# Altium PCB X3.PcbDoc (part 1 of 2) (continued)
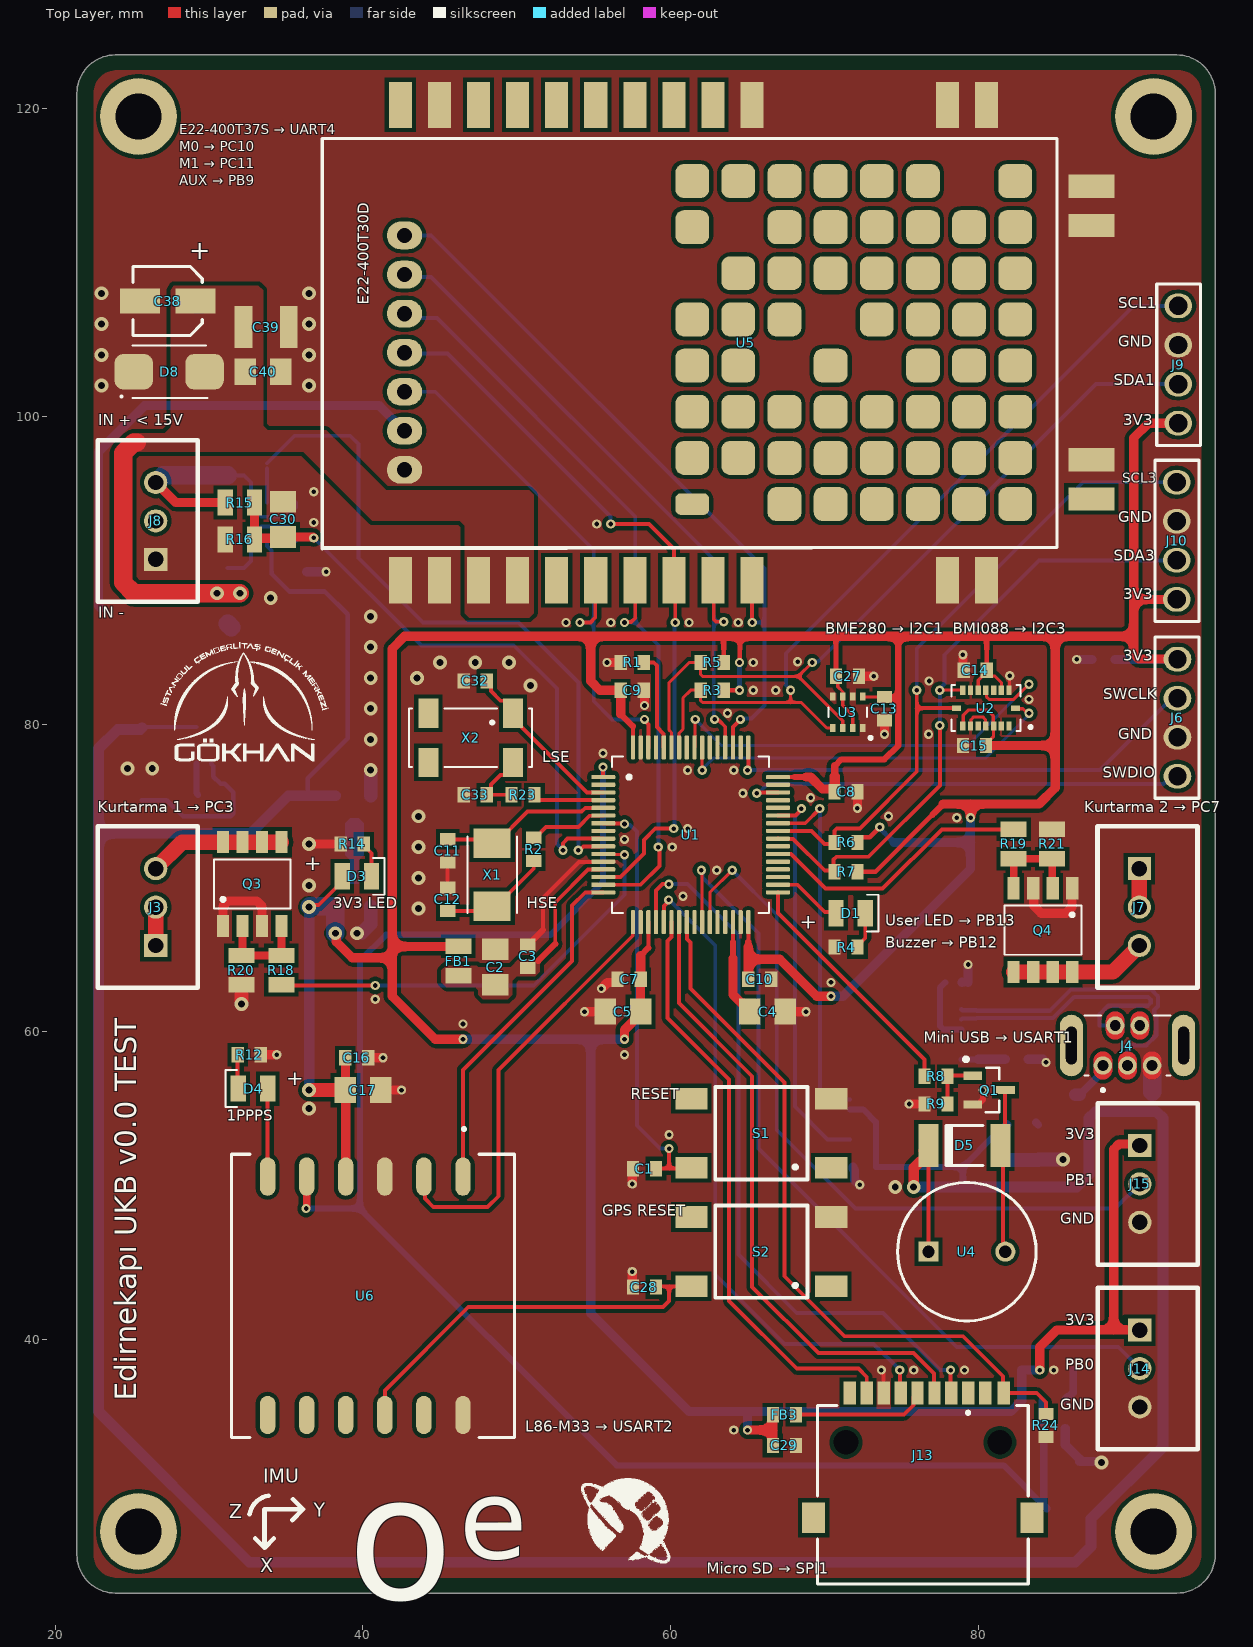
[diagram p0: Top Layer view]
## Footprints (in the part's own frame and the unit in brackets; to place one, negate y for a bottom-side part, rotate by r counter-clockwise, add the part's x,y. Pads: shape width x height; smd on the part's side, far side on the other; paste and mask are expansions set on the pad)
0ZCG0075FF2C [mm] "PTC"
  rrect50% 2.2x3.8 smd: 1(-2,-0.125) 2(1.9,-0.125)
  body extent -2.26,-1.75 2.29,1.49, height 0.7
1N5819HW-7-F [mm]
  rect 1.21x0.73 smd: A(1.68,0) C(-1.68,0)
  silkscreen extent -3.1,-0.85 1.43,0.85, body extent -1.83,-0.77 1.83,0.77, height 1.5
"1X4 HEADER MALE" [mm]
  oval 1.6x1.8 hole 1.2: 1(-3.81,0) 2(-1.27,0) 3(1.27,0) 4(3.81,0)
  silkscreen extent -5.23,-1.4 5.25,1.45, body extent -5.08,-1.27 5.08,1.27, height 9.2
112I-TA01 [mm]
  rect 0.8x1.5 smd: 1(2.95,6.2) 2(1.85,6.2) 3(0.75,6.2) 4(-0.35,6.2) 5(-1.45,6.2) 6(-2.55,6.2) 7(-3.65,6.2) 8(-4.75,6.2) 9(5.25,6.2) 10(4.05,6.2)
  round 0.8 hole 1.6 unplated: MH1(5,3) MH2(-5,3)
  rect 1.5x2 smd: MP1(7.1,-1.9) MP2(-7.1,-1.9)
  silkscreen extent -6.85,-6.2 6.85,5.4, body extent -7.45,-6 7.55,6.6, height 2.01
865060653010 [mm]
  rect 2.6x1.6 smd: 1(1.8,0) 2(-1.8,0)
  silkscreen extent -2.25,-2.25 2.25,2.25, body extent -2.5,-2.15 2.5,2.15, height 5.5
ABM3-8.000MHZ-D2Y-T [mm]
  rect 1.9x2.4 smd: 1(-2.05,0) 2(2.05,0)
  silkscreen extent -2.5,-1.6 2.5,1.6, body extent -2.5,-1.6 2.5,1.6, height 1.3
ABS25-32.768KHZ-6-T [mm]
  rect 1.9x1.3 smd: 1(-1.6,2.75) 2(-1.6,-2.75) 3(1.6,-2.75) 4(1.6,2.75)
  silkscreen extent -1.9,-4 1.9,4, body extent -2.03,-4 1.97,4, height 2.75
AP63205 [mm]
  rrect25% 1.34x0.59 smd: 1(-1.19,0.95) 2(-1.19,0) 3(-1.19,-0.95) 4(1.19,-0.95) 5(1.19,0) 6(1.19,0.95)
  silkscreen extent -2.6,0.85 -2.4,1.05, body extent -1.45,-1.45 1.45,1.45, height 1
BC817-25 [mil]
  rect 48x21 smd: 1(-42,37) 2(-42,-37) 3(42,0)
  silkscreen extent -64,-57 26,84, body extent -47,-57 43,57, height 39
BME280 [mm]
  rect 0.5x0.35 smd paste+0 mask+0: 1(1.025,0.975) 2(1.025,0.325) 3(1.025,-0.325) 4(1.025,-0.975) 5(-1.025,-0.975) 6(-1.025,-0.325) 7(-1.025,0.325) 8(-1.025,0.975)
  silkscreen extent -0.3,-1.25 1.77,1.59, body extent -1.25,-1.25 1.25,1.25, height 1
BMI088 [mm]
  rect 0.35x0.59 smd: 1(-1.5,1.165) 2(-1,1.165) 3(-0.5,1.165) 4(0,1.165) 5(0.5,1.165) 6(1,1.165) 7(1.5,1.165) 9(1.5,-1.165) 10(1,-1.165) 11(0.5,-1.165) 12(0,-1.165) 13(-0.5,-1.165) 14(-1,-1.165) 15(-1.5,-1.165)
  rect 0.59x0.35 smd: 8(1.915,0) 16(-1.915,0)
  silkscreen extent -3,-1.5 2.25,1.5, body extent -2.25,-1.5 2.25,1.5, height 1.55
"CAP 0603" [mm]
  rect 0.8x1 smd: 1(-0.75,0) 2(0.75,0)
  body extent -0.8,-0.4 0.8,0.4, height 0.51
"CAP 0805" [mm]
  rect 1.4x1.7 smd: 1(-1.143,0) 2(1.143,0)
  body extent -1.15,-0.76 1.15,0.79, height 1.01
"CAP 1210" [mm]
  rect 1.16x2.72 smd: 1(-1.475,0) 2(1.475,0)
  body extent -1.6,-1.25 1.6,1.25, height 1.9
DMG4822SSD-13 [mm]
  rect 1.45x0.8 smd: 1(-2.725,1.905) 2(-2.725,0.635) 3(-2.725,-0.635) 4(-2.725,-1.905) 5(2.725,-1.905) 6(2.725,-0.635) 7(2.725,0.635) 8(2.725,1.905)
  silkscreen extent -1.6,-2.5 1.6,2.5, body extent -3.1,-2.5 3.1,2.5, height 1.7
"FB 0603" [mm]
  rect 0.8x1 smd: 1(-0.75,0) 2(0.75,0)
  body extent -0.8,-0.4 0.8,0.4, height 0.81
"FB 0805" [mm]
  rect 1x1.7 smd: 1(-0.95,0) 2(0.95,0)
  body extent -1,-0.63 1,0.63, height 0.86
FSM4JSMATR [mm]
  rect 1.4x2.1 smd: 1(2.25,4.55) 2(2.25,-4.55) 3(-2.25,4.55) 4(-2.25,-4.55)
  silkscreen extent -3,-3 3,3, body extent -3,-5 3,5, height 5.13
FT232RL [mm]
  rect 0.4x1.5 smd: 1(-4.225,-3.625) 2(-3.575,-3.625) 3(-2.925,-3.625) 4(-2.275,-3.625) 5(-1.625,-3.625) 6(-0.975,-3.625) 7(-0.325,-3.625) 8(0.325,-3.625) 9(0.975,-3.625) 10(1.625,-3.625) 11(2.275,-3.625) 12(2.925,-3.625) 13(3.575,-3.625) 14(4.225,-3.625) 15(4.225,3.625) 16(3.575,3.625) 17(2.925,3.625) 18(2.275,3.625) 19(1.625,3.625) 20(0.975,3.625) 21(0.325,3.625) 22(-0.325,3.625) 23(-0.975,3.625) 24(-1.625,3.625) 25(-2.275,3.625) 26(-2.925,3.625) 27(-3.575,3.625) 28(-4.225,3.625)
  silkscreen extent -5.02,-3.67 4.97,2.42, body extent -5.1,-3.9 5.1,3.9, height 2
IHLP2020CZER4R7M11 [mm]
  rect 2.05x2.7 smd: 1(-2.35,0) 2(2.35,0)
  silkscreen extent -2.75,-2.59 2.75,2.59, body extent -2.73,-2.65 2.73,2.5, height 2.87
INA139NA [mm]
  rrect50% 1.21x0.59 smd: 1(-1.255,0.95) 2(-1.255,0) 3(-1.255,-0.95) 4(1.255,-0.95) 5(1.255,0.95)
  silkscreen extent -0.33,-1.45 0.8,1.45, body extent -1.4,-1.45 1.4,1.45, height 1.45
JST_B3B-XH-A [mm]
  rect 1.508x1.508 / inner round 1.508 / far side rect 1.508x1.508 hole 1: 1(-2.5,-0.525)
  round 1.508 hole 1: 2(0,-0.525) 3(2.5,-0.525)
  silkscreen extent -5.25,-3.25 5.25,3.25, body extent -4.95,-2.88 4.95,2.88, height 7
L86 [mm]
  oval 2.5x1 smd paste-2: 1(-7.75,5.85) 2(-7.75,3.31) 3(-7.75,0.77) 4(-7.75,-1.77) 5(-7.75,-4.31) 6(-7.75,-6.85) 7(7.75,-6.85) 8(7.75,-4.31) 9(7.75,-1.77) 10(7.75,0.77) 11(7.75,3.31) 12(7.75,5.85)
  silkscreen extent -10.94,-9.2 9.2,9.2, body extent -9.2,-9.2 9.2,9.2, height 7.15
"LED 0805 BLUE" [mm]
  rect 1x1.7 smd: A(0.95,0) K(-0.95,0)
  silkscreen extent -1.8,-1.2 -1.05,1.2, body extent -1,-0.63 1,0.63, height 1.12
"LORA E22-400T37S" [mm]
  rect 1.5x3 smd: 1(-15.291,-16.815) 2(-12.751,-16.815) 3(-10.211,-16.815) 4(-7.671,-16.815) 5(-5.131,-16.815) 6(-2.591,-16.815) 7(-0.051,-16.815) 8(2.489,-16.815) 9(5.029,-16.815) 10(7.569,-16.815) 11(20.269,-16.815) 12(22.809,-16.815) 17(22.809,14.085) 18(20.269,14.085) 19(7.569,14.085) 20(5.029,14.085) 21(2.489,14.085) 22(-0.051,14.085) 23(-2.591,14.085) 24(-5.131,14.085) 25(-7.671,14.085) 26(-10.211,14.085) 27(-12.751,14.085) 28(-15.291,14.085)
  rect 3x1.5 smd: 13(29.629,-11.525) 14(29.629,-8.985) 15(29.629,6.255) 16(29.629,8.795)
  rrect50% 2.2x1.4 smd: 29(3.679,-11.865)
  rrect50% 2.2x2.2 smd: 29(3.679,-8.865) 29(3.679,-5.865) 29(3.679,-2.865) 29(3.679,0.135) 29(3.679,6.135) 29(3.679,9.135) 29(6.679,-8.865) 29(6.679,-5.865) 29(6.679,-2.865) 29(6.679,0.135) 29(6.679,3.135) 29(6.679,9.135) 29(9.679,-11.865) 29(9.679,-8.865) 29(9.679,-5.865) 29(9.679,0.135) 29(9.679,3.135) 29(9.679,6.135) 29(9.679,9.135) 29(12.679,-11.865) 29(12.679,-8.865) 29(12.679,-5.865) 29(12.679,-2.865) 29(12.679,3.135) 29(12.679,6.135) 29(12.679,9.135) 29(15.679,-11.865) 29(15.679,-8.865) 29(15.679,-5.865) 29(15.679,0.135) 29(15.679,3.135) 29(15.679,6.135) 29(15.679,9.135) 29(18.679,-11.865) 29(18.679,-8.865) 29(18.679,-5.865) 29(18.679,-2.865) 29(18.679,0.135) 29(18.679,3.135) 29(18.679,6.135) 29(18.679,9.135) 29(21.679,-11.865) 29(21.679,-8.865) 29(21.679,-5.865) 29(21.679,-2.865) 29(21.679,0.135) 29(21.679,6.135) 29(21.679,3.135) 29(24.679,-11.865) 29(24.679,-8.865) 29(24.679,-5.865) 29(24.679,-2.865) 29(24.679,0.135) 29(24.679,3.135) 29(24.679,6.135) 29(24.679,9.135)
  silkscreen extent -20.37,-14.79 27.4,11.9, body extent -20.3,-16.73 29.7,14.17, height 4.6
"LoRa E22-433T30D H" [mm]
  oval 1.8x2.3 hole 1: 1(7.62,0) 2(5.08,0) 3(2.54,0) 4(0,0) 5(-2.54,0) 6(-5.08,0) 7(-7.62,0)
MCP1702T-3302E/MB [mm]
  rect 1.4x0.48 smd: 1(-1.425,1.5) 3(-1.425,-1.5)
  rect 1.525x0.56 smd mask+0: 2(-1.365,0)
  Top Layer region: 2.125,0.28 2.125,-0.28 1.805,-0.6 -0.28,-0.6 -0.6,-0.28 -2.125,-0.28 -2.125,0.28 -0.6,0.28 -0.28,0.6 1.805,0.6
  silkscreen extent -1.94,-2.3 1.47,2.54, body extent -2.07,-2.25 2.02,2.25, height 1.6
"RES 0603" [mm]
  rect 0.8x1 smd: 1(-0.75,0) 2(0.75,0)
  body extent -0.8,-0.43 0.8,0.43, height 0.52
"RES 0805" [mm]
  rect 1x1.7 smd: 1(-0.95,0) 2(0.95,0)
  body extent -1,-0.63 1,0.63, height 0.47
"RES 2512" [mm]
  rect 1.15x3.27 smd: 1(-3.013,0) 2(3.013,0)
  silkscreen extent -2.12,-1.63 2.12,1.63, body extent -3.15,-1.6 3.15,1.55, height 0.82
S8201-46R [mm]
  rect 3.5x3.6 smd: 1(-7.95,0) 3(7.95,0)
  rect 4x4 smd: 2(0,0)
  silkscreen extent -6.6,-4.9 6.6,6.9, body extent -9.5,-4.91 9.5,6.91, height 3.2
SMBJ12CA-13-F [mm]
  rrect50% 2.5x2.3 smd: 1(2.3,0) 2(-2.3,0)
  silkscreen extent -2.5,-1.7 3.15,1.7, body extent -2.65,-1.81 2.65,1.81, height 2.5
STM32F446RET6 [mm]
  rrect50% 1.56x0.28 smd: 1(-5.68,3.75) 2(-5.68,3.25) 3(-5.68,2.75) 4(-5.68,2.25) 5(-5.68,1.75) 6(-5.68,1.25) 7(-5.68,0.75) 8(-5.68,0.25) 9(-5.68,-0.25) 10(-5.68,-0.75) 11(-5.68,-1.25) 12(-5.68,-1.75) 13(-5.68,-2.25) 14(-5.68,-2.75) 15(-5.68,-3.25) 16(-5.68,-3.75) 33(5.68,-3.75) 34(5.68,-3.25) 35(5.68,-2.75) 36(5.68,-2.25) 37(5.68,-1.75) 38(5.68,-1.25) 39(5.68,-0.75) 40(5.68,-0.25) 41(5.68,0.25) 42(5.68,0.75) 43(5.68,1.25) 44(5.68,1.75) 45(5.68,2.25) 46(5.68,2.75) 47(5.68,3.25) 48(5.68,3.75)
  rrect50% 0.28x1.56 smd: 17(-3.75,-5.68) 18(-3.25,-5.68) 19(-2.75,-5.68) 20(-2.25,-5.68) 21(-1.75,-5.68) 22(-1.25,-5.68) 23(-0.75,-5.68) 24(-0.25,-5.68) 25(0.25,-5.68) 26(0.75,-5.68) 27(1.25,-5.68) 28(1.75,-5.68) 29(2.25,-5.68) 30(2.75,-5.68) 31(3.25,-5.68) 32(3.75,-5.68) 49(3.75,5.68) 50(3.25,5.68) 51(2.75,5.68) 52(2.25,5.68) 53(1.75,5.68) 54(1.25,5.68) 55(0.75,5.68) 56(0.25,5.68) 57(-0.25,5.68) 58(-0.75,5.68) 59(-1.25,5.68) 60(-1.75,5.68) 61(-2.25,5.68) 62(-2.75,5.68) 63(-3.25,5.68) 64(-3.75,5.68)
  silkscreen extent -5.1,-5.1 5.1,5.1, body extent -6,-6 6,6, height 1.6
TMBAT49FILM [mm]
  rect 1.3x2.8 smd: 1(-2.35,0) 2(2.35,0)
  silkscreen extent -1.3,-1.3 1.2,1.3, body extent -2.6,-1.33 2.6,1.32, height 2.64
UE25BE55H [mm]
  round 1.2 hole 0.7 mask+0: 1(1.6,1.3) 2(0.8,-1.3) 3(0,1.3) 4(-0.8,-1.3) 5(-1.6,1.3)
  oval 1.5x4 hole 0.7 slot 2.45 at 90 deg: SH1(-3.65,0) SH2(3.65,0)
  Top Layer region: 0.031,2.199 0.063,2.197 0.094,2.193 0.125,2.187 0.155,2.18 0.185,2.171 0.215,2.16 0.244,2.148 0.272,2.135 0.3,2.12 0.327,2.103 0.353,2.085 0.378,2.066 0.401,2.046 0.424,2.024 0.446,2.001 0.466,1.978 0.485,1.953 0.503,1.927 0.52,1.9 0.535,1.872 0.548,1.844 0.56,1.815 0.571,1.785 0.58,1.755 0.587,1.725 0.593,1.694 0.597,1.663 0.599,1.631 0.6,1.6 0.6,1 0.599,0.969 0.597,0.937 0.593,0.906 0.587,0.875 0.58,0.845 0.571,0.815 0.56,0.785 0.548,0.756 0.535,0.728 0.52,0.7 0.503,0.673 0.485,0.647 0.466,0.622 0.446,0.599 0.424,0.576 0.401,0.554 0.378,0.534 0.353,0.515 0.327,0.497 0.3,0.48 0.272,0.465 0.244,0.452 0.215,0.44 0.185,0.429 0.155,0.42 0.125,0.413 0.094,0.407 0.063,0.403 0.031,0.401 0,0.4 -0.031,0.401 -0.063,0.403 -0.094,0.407 -0.125,0.413 -0.155,0.42 -0.185,0.429 -0.215,0.44 -0.244,0.452 -0.272,0.465 -0.3,0.48 -0.327,0.497 -0.353,0.515 -0.378,0.534 -0.401,0.554 -0.424,0.576 -0.446,0.599 -0.466,0.622 -0.485,0.647 -0.503,0.673 -0.52,0.7 -0.535,0.728 -0.548,0.756 -0.56,0.785 -0.571,0.815 -0.58,0.845 -0.587,0.875 -0.593,0.906 -0.597,0.937 -0.599,0.969 -0.6,1 -0.6,1.6 -0.599,1.631 -0.597,1.663 -0.593,1.694 -0.587,1.725 -0.58,1.755 -0.571,1.785 -0.56,1.815 -0.548,1.844 -0.535,1.872 -0.52,1.9 -0.503,1.927 -0.485,1.953 -0.466,1.978 -0.446,2.001 -0.424,2.024 -0.401,2.046 -0.378,2.066 -0.353,2.085 -0.327,2.103 -0.3,2.12 -0.272,2.135 -0.244,2.148 -0.215,2.16 -0.185,2.171 -0.155,2.18 -0.125,2.187 -0.094,2.193 -0.063,2.197 -0.031,2.199 0,2.2
  Top Layer region: -1.569,2.199 -1.537,2.197 -1.506,2.193 -1.475,2.187 -1.445,2.18 -1.415,2.171 -1.385,2.16 -1.356,2.148 -1.328,2.135 -1.3,2.12 -1.273,2.103 -1.247,2.085 -1.222,2.066 -1.199,2.046 -1.176,2.024 -1.154,2.001 -1.134,1.978 -1.115,1.953 -1.097,1.927 -1.08,1.9 -1.065,1.872 -1.052,1.844 -1.04,1.815 -1.029,1.785 -1.02,1.755 -1.013,1.725 -1.007,1.694 -1.003,1.663 -1.001,1.631 -1,1.6 -1,1 -1.001,0.969 -1.003,0.937 -1.007,0.906 -1.013,0.875 -1.02,0.845 -1.029,0.815 -1.04,0.785 -1.052,0.756 -1.065,0.728 -1.08,0.7 -1.097,0.673 -1.115,0.647 -1.134,0.622 -1.154,0.599 -1.176,0.576 -1.199,0.554 -1.222,0.534 -1.247,0.515 -1.273,0.497 -1.3,0.48 -1.328,0.465 -1.356,0.452 -1.385,0.44 -1.415,0.429 -1.445,0.42 -1.475,0.413 -1.506,0.407 -1.537,0.403 -1.569,0.401 -1.6,0.4 -1.631,0.401 -1.663,0.403 -1.694,0.407 -1.725,0.413 -1.755,0.42 -1.785,0.429 -1.815,0.44 -1.844,0.452 -1.872,0.465 -1.9,0.48 -1.927,0.497 -1.953,0.515 -1.978,0.534 -2.001,0.554 -2.024,0.576 -2.046,0.599 -2.066,0.622 -2.085,0.647 -2.103,0.673 -2.12,0.7 -2.135,0.728 -2.148,0.756 -2.16,0.785 -2.171,0.815 -2.18,0.845 -2.187,0.875 -2.193,0.906 -2.197,0.937 -2.199,0.969 -2.2,1 -2.2,1.6 -2.199,1.631 -2.197,1.663 -2.193,1.694 -2.187,1.725 -2.18,1.755 -2.171,1.785 -2.16,1.815 -2.148,1.844 -2.135,1.872 -2.12,1.9 -2.103,1.927 -2.085,1.953 -2.066,1.978 -2.046,2.001 -2.024,2.024 -2.001,2.046 -1.978,2.066 -1.953,2.085 -1.927,2.103 -1.9,2.12 -1.872,2.135 -1.844,2.148 -1.815,2.16 -1.785,2.171 -1.755,2.18 -1.725,2.187 -1.694,2.193 -1.663,2.197 -1.631,2.199 -1.6,2.2
  Top Layer region: 1.631,2.199 1.663,2.197 1.694,2.193 1.725,2.187 1.755,2.18 1.785,2.171 1.815,2.16 1.844,2.148 1.872,2.135 1.9,2.12 1.927,2.103 1.953,2.085 1.978,2.066 2.001,2.046 2.024,2.024 2.046,2.001 2.066,1.978 2.085,1.953 2.103,1.927 2.12,1.9 2.135,1.872 2.148,1.844 2.16,1.815 2.171,1.785 2.18,1.755 2.187,1.725 2.193,1.694 2.197,1.663 2.199,1.631 2.2,1.6 2.2,1 2.199,0.969 2.197,0.937 2.193,0.906 2.187,0.875 2.18,0.845 2.171,0.815 2.16,0.785 2.148,0.756 2.135,0.728 2.12,0.7 2.103,0.673 2.085,0.647 2.066,0.622 2.046,0.599 2.024,0.576 2.001,0.554 1.978,0.534 1.953,0.515 1.927,0.497 1.9,0.48 1.872,0.465 1.844,0.452 1.815,0.44 1.785,0.429 1.755,0.42 1.725,0.413 1.694,0.407 1.663,0.403 1.631,0.401 1.6,0.4 1.569,0.401 1.537,0.403 1.506,0.407 1.475,0.413 1.445,0.42 1.415,0.429 1.385,0.44 1.356,0.452 1.328,0.465 1.3,0.48 1.273,0.497 1.247,0.515 1.222,0.534 1.199,0.554 1.176,0.576 1.154,0.599 1.134,0.622 1.115,0.647 1.097,0.673 1.08,0.7 1.065,0.728 1.052,0.756 1.04,0.785 1.029,0.815 1.02,0.845 1.013,0.875 1.007,0.906 1.003,0.937 1.001,0.969 1,1 1,1.6 1.001,1.631 1.003,1.663 1.007,1.694 1.013,1.725 1.02,1.755 1.029,1.785 1.04,1.815 1.052,1.844 1.065,1.872 1.08,1.9 1.097,1.927 1.115,1.953 1.134,1.978 1.154,2.001 1.176,2.024 1.199,2.046 1.222,2.066 1.247,2.085 1.273,2.103 1.3,2.12 1.328,2.135 1.356,2.148 1.385,2.16 1.415,2.171 1.445,2.18 1.475,2.187 1.506,2.193 1.537,2.197 1.569,2.199 1.6,2.2
  Top Layer region: -0.769,-0.401 -0.737,-0.403 -0.706,-0.407 -0.675,-0.413 -0.645,-0.42 -0.615,-0.429 -0.585,-0.44 -0.556,-0.452 -0.528,-0.465 -0.5,-0.48 -0.473,-0.497 -0.447,-0.515 -0.422,-0.534 -0.399,-0.554 -0.376,-0.576 -0.354,-0.599 -0.334,-0.622 -0.315,-0.647 -0.297,-0.673 -0.28,-0.7 -0.265,-0.728 -0.252,-0.756 -0.24,-0.785 -0.229,-0.815 -0.22,-0.845 -0.213,-0.875 -0.207,-0.906 -0.203,-0.937 -0.201,-0.969 -0.2,-1 -0.2,-1.6 -0.201,-1.631 -0.203,-1.663 -0.207,-1.694 -0.213,-1.725 -0.22,-1.755 -0.229,-1.785 -0.24,-1.815 -0.252,-1.844 -0.265,-1.872 -0.28,-1.9 -0.297,-1.927 -0.315,-1.953 -0.334,-1.978 -0.354,-2.001 -0.376,-2.024 -0.399,-2.046 -0.422,-2.066 -0.447,-2.085 -0.473,-2.103 -0.5,-2.12 -0.528,-2.135 -0.556,-2.148 -0.585,-2.16 -0.615,-2.171 -0.645,-2.18 -0.675,-2.187 -0.706,-2.193 -0.737,-2.197 -0.769,-2.199 -0.8,-2.2 -0.831,-2.199 -0.863,-2.197 -0.894,-2.193 -0.925,-2.187 -0.955,-2.18 -0.985,-2.171 -1.015,-2.16 -1.044,-2.148 -1.072,-2.135 -1.1,-2.12 -1.127,-2.103 -1.153,-2.085 -1.178,-2.066 -1.201,-2.046 -1.224,-2.024 -1.246,-2.001 -1.266,-1.978 -1.285,-1.953 -1.303,-1.927 -1.32,-1.9 -1.335,-1.872 -1.348,-1.844 -1.36,-1.815 -1.371,-1.785 -1.38,-1.755 -1.387,-1.725 -1.393,-1.694 -1.397,-1.663 -1.399,-1.631 -1.4,-1.6 -1.4,-1 -1.399,-0.969 -1.397,-0.937 -1.393,-0.906 -1.387,-0.875 -1.38,-0.845 -1.371,-0.815 -1.36,-0.785 -1.348,-0.756 -1.335,-0.728 -1.32,-0.7 -1.303,-0.673 -1.285,-0.647 -1.266,-0.622 -1.246,-0.599 -1.224,-0.576 -1.201,-0.554 -1.178,-0.534 -1.153,-0.515 -1.127,-0.497 -1.1,-0.48 -1.072,-0.465 -1.044,-0.452 -1.015,-0.44 -0.985,-0.429 -0.955,-0.42 -0.925,-0.413 -0.894,-0.407 -0.863,-0.403 -0.831,-0.401 -0.8,-0.4
  Top Layer region: 0.831,-0.401 0.863,-0.403 0.894,-0.407 0.925,-0.413 0.955,-0.42 0.985,-0.429 1.015,-0.44 1.044,-0.452 1.072,-0.465 1.1,-0.48 1.127,-0.497 1.153,-0.515 1.178,-0.534 1.201,-0.554 1.224,-0.576 1.246,-0.599 1.266,-0.622 1.285,-0.647 1.303,-0.673 1.32,-0.7 1.335,-0.728 1.348,-0.756 1.36,-0.785 1.371,-0.815 1.38,-0.845 1.387,-0.875 1.393,-0.906 1.397,-0.937 1.399,-0.969 1.4,-1 1.4,-1.6 1.399,-1.631 1.397,-1.663 1.393,-1.694 1.387,-1.725 1.38,-1.755 1.371,-1.785 1.36,-1.815 1.348,-1.844 1.335,-1.872 1.32,-1.9 1.303,-1.927 1.285,-1.953 1.266,-1.978 1.246,-2.001 1.224,-2.024 1.201,-2.046 1.178,-2.066 1.153,-2.085 1.127,-2.103 1.1,-2.12 1.072,-2.135 1.044,-2.148 1.015,-2.16 0.985,-2.171 0.955,-2.18 0.925,-2.187 0.894,-2.193 0.863,-2.197 0.831,-2.199 0.8,-2.2 0.769,-2.199 0.737,-2.197 0.706,-2.193 0.675,-2.187 0.645,-2.18 0.615,-2.171 0.585,-2.16 0.556,-2.148 0.528,-2.135 0.5,-2.12 0.473,-2.103 0.447,-2.085 0.422,-2.066 0.399,-2.046 0.376,-2.024 0.354,-2.001 0.334,-1.978 0.315,-1.953 0.297,-1.927 0.28,-1.9 0.265,-1.872 0.252,-1.844 0.24,-1.815 0.229,-1.785 0.22,-1.755 0.213,-1.725 0.207,-1.694 0.203,-1.663 0.201,-1.631 0.2,-1.6 0.2,-1 0.201,-0.969 0.203,-0.937 0.207,-0.906 0.213,-0.875 0.22,-0.845 0.229,-0.815 0.24,-0.785 0.252,-0.756 0.265,-0.728 0.28,-0.7 0.297,-0.673 0.315,-0.647 0.334,-0.622 0.354,-0.599 0.376,-0.576 0.399,-0.554 0.422,-0.534 0.447,-0.515 0.473,-0.497 0.5,-0.48 0.528,-0.465 0.556,-0.452 0.585,-0.44 0.615,-0.429 0.645,-0.42 0.675,-0.413 0.706,-0.407 0.737,-0.403 0.769,-0.401 0.8,-0.4
  Bottom Layer region: 0.031,2.199 0.063,2.197 0.094,2.193 0.125,2.187 0.155,2.18 0.185,2.171 0.215,2.16 0.244,2.148 0.272,2.135 0.3,2.12 0.327,2.103 0.353,2.085 0.378,2.066 0.401,2.046 0.424,2.024 0.446,2.001 0.466,1.978 0.485,1.953 0.503,1.927 0.52,1.9 0.535,1.872 0.548,1.844 0.56,1.815 0.571,1.785 0.58,1.755 0.587,1.725 0.593,1.694 0.597,1.663 0.599,1.631 0.6,1.6 0.6,1 0.599,0.969 0.597,0.937 0.593,0.906 0.587,0.875 0.58,0.845 0.571,0.815 0.56,0.785 0.548,0.756 0.535,0.728 0.52,0.7 0.503,0.673 0.485,0.647 0.466,0.622 0.446,0.599 0.424,0.576 0.401,0.554 0.378,0.534 0.353,0.515 0.327,0.497 0.3,0.48 0.272,0.465 0.244,0.452 0.215,0.44 0.185,0.429 0.155,0.42 0.125,0.413 0.094,0.407 0.063,0.403 0.031,0.401 0,0.4 -0.031,0.401 -0.063,0.403 -0.094,0.407 -0.125,0.413 -0.155,0.42 -0.185,0.429 -0.215,0.44 -0.244,0.452 -0.272,0.465 -0.3,0.48 -0.327,0.497 -0.353,0.515 -0.378,0.534 -0.401,0.554 -0.424,0.576 -0.446,0.599 -0.466,0.622 -0.485,0.647 -0.503,0.673 -0.52,0.7 -0.535,0.728 -0.548,0.756 -0.56,0.785 -0.571,0.815 -0.58,0.845 -0.587,0.875 -0.593,0.906 -0.597,0.937 -0.599,0.969 -0.6,1 -0.6,1.6 -0.599,1.631 -0.597,1.663 -0.593,1.694 -0.587,1.725 -0.58,1.755 -0.571,1.785 -0.56,1.815 -0.548,1.844 -0.535,1.872 -0.52,1.9 -0.503,1.927 -0.485,1.953 -0.466,1.978 -0.446,2.001 -0.424,2.024 -0.401,2.046 -0.378,2.066 -0.353,2.085 -0.327,2.103 -0.3,2.12 -0.272,2.135 -0.244,2.148 -0.215,2.16 -0.185,2.171 -0.155,2.18 -0.125,2.187 -0.094,2.193 -0.063,2.197 -0.031,2.199 0,2.2
  Bottom Layer region: -1.569,2.199 -1.537,2.197 -1.506,2.193 -1.475,2.187 -1.445,2.18 -1.415,2.171 -1.385,2.16 -1.356,2.148 -1.328,2.135 -1.3,2.12 -1.273,2.103 -1.247,2.085 -1.222,2.066 -1.199,2.046 -1.176,2.024 -1.154,2.001 -1.134,1.978 -1.115,1.953 -1.097,1.927 -1.08,1.9 -1.065,1.872 -1.052,1.844 -1.04,1.815 -1.029,1.785 -1.02,1.755 -1.013,1.725 -1.007,1.694 -1.003,1.663 -1.001,1.631 -1,1.6 -1,1 -1.001,0.969 -1.003,0.937 -1.007,0.906 -1.013,0.875 -1.02,0.845 -1.029,0.815 -1.04,0.785 -1.052,0.756 -1.065,0.728 -1.08,0.7 -1.097,0.673 -1.115,0.647 -1.134,0.622 -1.154,0.599 -1.176,0.576 -1.199,0.554 -1.222,0.534 -1.247,0.515 -1.273,0.497 -1.3,0.48 -1.328,0.465 -1.356,0.452 -1.385,0.44 -1.415,0.429 -1.445,0.42 -1.475,0.413 -1.506,0.407 -1.537,0.403 -1.569,0.401 -1.6,0.4 -1.631,0.401 -1.663,0.403 -1.694,0.407 -1.725,0.413 -1.755,0.42 -1.785,0.429 -1.815,0.44 -1.844,0.452 -1.872,0.465 -1.9,0.48 -1.927,0.497 -1.953,0.515 -1.978,0.534 -2.001,0.554 -2.024,0.576 -2.046,0.599 -2.066,0.622 -2.085,0.647 -2.103,0.673 -2.12,0.7 -2.135,0.728 -2.148,0.756 -2.16,0.785 -2.171,0.815 -2.18,0.845 -2.187,0.875 -2.193,0.906 -2.197,0.937 -2.199,0.969 -2.2,1 -2.2,1.6 -2.199,1.631 -2.197,1.663 -2.193,1.694 -2.187,1.725 -2.18,1.755 -2.171,1.785 -2.16,1.815 -2.148,1.844 -2.135,1.872 -2.12,1.9 -2.103,1.927 -2.085,1.953 -2.066,1.978 -2.046,2.001 -2.024,2.024 -2.001,2.046 -1.978,2.066 -1.953,2.085 -1.927,2.103 -1.9,2.12 -1.872,2.135 -1.844,2.148 -1.815,2.16 -1.785,2.171 -1.755,2.18 -1.725,2.187 -1.694,2.193 -1.663,2.197 -1.631,2.199 -1.6,2.2
  Bottom Layer region: 1.631,2.199 1.663,2.197 1.694,2.193 1.725,2.187 1.755,2.18 1.785,2.171 1.815,2.16 1.844,2.148 1.872,2.135 1.9,2.12 1.927,2.103 1.953,2.085 1.978,2.066 2.001,2.046 2.024,2.024 2.046,2.001 2.066,1.978 2.085,1.953 2.103,1.927 2.12,1.9 2.135,1.872 2.148,1.844 2.16,1.815 2.171,1.785 2.18,1.755 2.187,1.725 2.193,1.694 2.197,1.663 2.199,1.631 2.2,1.6 2.2,1 2.199,0.969 2.197,0.937 2.193,0.906 2.187,0.875 2.18,0.845 2.171,0.815 2.16,0.785 2.148,0.756 2.135,0.728 2.12,0.7 2.103,0.673 2.085,0.647 2.066,0.622 2.046,0.599 2.024,0.576 2.001,0.554 1.978,0.534 1.953,0.515 1.927,0.497 1.9,0.48 1.872,0.465 1.844,0.452 1.815,0.44 1.785,0.429 1.755,0.42 1.725,0.413 1.694,0.407 1.663,0.403 1.631,0.401 1.6,0.4 1.569,0.401 1.537,0.403 1.506,0.407 1.475,0.413 1.445,0.42 1.415,0.429 1.385,0.44 1.356,0.452 1.328,0.465 1.3,0.48 1.273,0.497 1.247,0.515 1.222,0.534 1.199,0.554 1.176,0.576 1.154,0.599 1.134,0.622 1.115,0.647 1.097,0.673 1.08,0.7 1.065,0.728 1.052,0.756 1.04,0.785 1.029,0.815 1.02,0.845 1.013,0.875 1.007,0.906 1.003,0.937 1.001,0.969 1,1 1,1.6 1.001,1.631 1.003,1.663 1.007,1.694 1.013,1.725 1.02,1.755 1.029,1.785 1.04,1.815 1.052,1.844 1.065,1.872 1.08,1.9 1.097,1.927 1.115,1.953 1.134,1.978 1.154,2.001 1.176,2.024 1.199,2.046 1.222,2.066 1.247,2.085 1.273,2.103 1.3,2.12 1.328,2.135 1.356,2.148 1.385,2.16 1.415,2.171 1.445,2.18 1.475,2.187 1.506,2.193 1.537,2.197 1.569,2.199 1.6,2.2
  Bottom Layer region: -0.769,-0.401 -0.737,-0.403 -0.706,-0.407 -0.675,-0.413 -0.645,-0.42 -0.615,-0.429 -0.585,-0.44 -0.556,-0.452 -0.528,-0.465 -0.5,-0.48 -0.473,-0.497 -0.447,-0.515 -0.422,-0.534 -0.399,-0.554 -0.376,-0.576 -0.354,-0.599 -0.334,-0.622 -0.315,-0.647 -0.297,-0.673 -0.28,-0.7 -0.265,-0.728 -0.252,-0.756 -0.24,-0.785 -0.229,-0.815 -0.22,-0.845 -0.213,-0.875 -0.207,-0.906 -0.203,-0.937 -0.201,-0.969 -0.2,-1 -0.2,-1.6 -0.201,-1.631 -0.203,-1.663 -0.207,-1.694 -0.213,-1.725 -0.22,-1.755 -0.229,-1.785 -0.24,-1.815 -0.252,-1.844 -0.265,-1.872 -0.28,-1.9 -0.297,-1.927 -0.315,-1.953 -0.334,-1.978 -0.354,-2.001 -0.376,-2.024 -0.399,-2.046 -0.422,-2.066 -0.447,-2.085 -0.473,-2.103 -0.5,-2.12 -0.528,-2.135 -0.556,-2.148 -0.585,-2.16 -0.615,-2.171 -0.645,-2.18 -0.675,-2.187 -0.706,-2.193 -0.737,-2.197 -0.769,-2.199 -0.8,-2.2 -0.831,-2.199 -0.863,-2.197 -0.894,-2.193 -0.925,-2.187 -0.955,-2.18 -0.985,-2.171 -1.015,-2.16 -1.044,-2.148 -1.072,-2.135 -1.1,-2.12 -1.127,-2.103 -1.153,-2.085 -1.178,-2.066 -1.201,-2.046 -1.224,-2.024 -1.246,-2.001 -1.266,-1.978 -1.285,-1.953 -1.303,-1.927 -1.32,-1.9 -1.335,-1.872 -1.348,-1.844 -1.36,-1.815 -1.371,-1.785 -1.38,-1.755 -1.387,-1.725 -1.393,-1.694 -1.397,-1.663 -1.399,-1.631 -1.4,-1.6 -1.4,-1 -1.399,-0.969 -1.397,-0.937 -1.393,-0.906 -1.387,-0.875 -1.38,-0.845 -1.371,-0.815 -1.36,-0.785 -1.348,-0.756 -1.335,-0.728 -1.32,-0.7 -1.303,-0.673 -1.285,-0.647 -1.266,-0.622 -1.246,-0.599 -1.224,-0.576 -1.201,-0.554 -1.178,-0.534 -1.153,-0.515 -1.127,-0.497 -1.1,-0.48 -1.072,-0.465 -1.044,-0.452 -1.015,-0.44 -0.985,-0.429 -0.955,-0.42 -0.925,-0.413 -0.894,-0.407 -0.863,-0.403 -0.831,-0.401 -0.8,-0.4
  Bottom Layer region: 0.831,-0.401 0.863,-0.403 0.894,-0.407 0.925,-0.413 0.955,-0.42 0.985,-0.429 1.015,-0.44 1.044,-0.452 1.072,-0.465 1.1,-0.48 1.127,-0.497 1.153,-0.515 1.178,-0.534 1.201,-0.554 1.224,-0.576 1.246,-0.599 1.266,-0.622 1.285,-0.647 1.303,-0.673 1.32,-0.7 1.335,-0.728 1.348,-0.756 1.36,-0.785 1.371,-0.815 1.38,-0.845 1.387,-0.875 1.393,-0.906 1.397,-0.937 1.399,-0.969 1.4,-1 1.4,-1.6 1.399,-1.631 1.397,-1.663 1.393,-1.694 1.387,-1.725 1.38,-1.755 1.371,-1.785 1.36,-1.815 1.348,-1.844 1.335,-1.872 1.32,-1.9 1.303,-1.927 1.285,-1.953 1.266,-1.978 1.246,-2.001 1.224,-2.024 1.201,-2.046 1.178,-2.066 1.153,-2.085 1.127,-2.103 1.1,-2.12 1.072,-2.135 1.044,-2.148 1.015,-2.16 0.985,-2.171 0.955,-2.18 0.925,-2.187 0.894,-2.193 0.863,-2.197 0.831,-2.199 0.8,-2.2 0.769,-2.199 0.737,-2.197 0.706,-2.193 0.675,-2.187 0.645,-2.18 0.615,-2.171 0.585,-2.16 0.556,-2.148 0.528,-2.135 0.5,-2.12 0.473,-2.103 0.447,-2.085 0.422,-2.066 0.399,-2.046 0.376,-2.024 0.354,-2.001 0.334,-1.978 0.315,-1.953 0.297,-1.927 0.28,-1.9 0.265,-1.872 0.252,-1.844 0.24,-1.815 0.229,-1.785 0.22,-1.755 0.213,-1.725 0.207,-1.694 0.203,-1.663 0.201,-1.631 0.2,-1.6 0.2,-1 0.201,-0.969 0.203,-0.937 0.207,-0.906 0.213,-0.875 0.22,-0.845 0.229,-0.815 0.24,-0.785 0.252,-0.756 0.265,-0.728 0.28,-0.7 0.297,-0.673 0.315,-0.647 0.334,-0.622 0.354,-0.599 0.376,-0.576 0.399,-0.554 0.422,-0.534 0.447,-0.515 0.473,-0.497 0.5,-0.48 0.528,-0.465 0.556,-0.452 0.585,-0.44 0.615,-0.429 0.645,-0.42 0.675,-0.413 0.706,-0.407 0.737,-0.403 0.769,-0.401 0.8,-0.4
  silkscreen extent -2.8,-1.95 2.8,3, body extent -3.85,-1.95 3.85,1.95, height 7.7
YX-YT9503 [mm]
  rect 1.3x1.3 hole 0.8: +(0,2.54)
  round 1.3 hole 0.8: -(0,-2.46)
  silkscreen extent -4.5,-4.46 4.5,4.54, body extent -4.6,-4.6 4.6,4.62, height 5.5